# Allegro board A733_PRO2_AXP318_LPDDR4_4X_200BALL_32X1_V1_1.brd (continued)
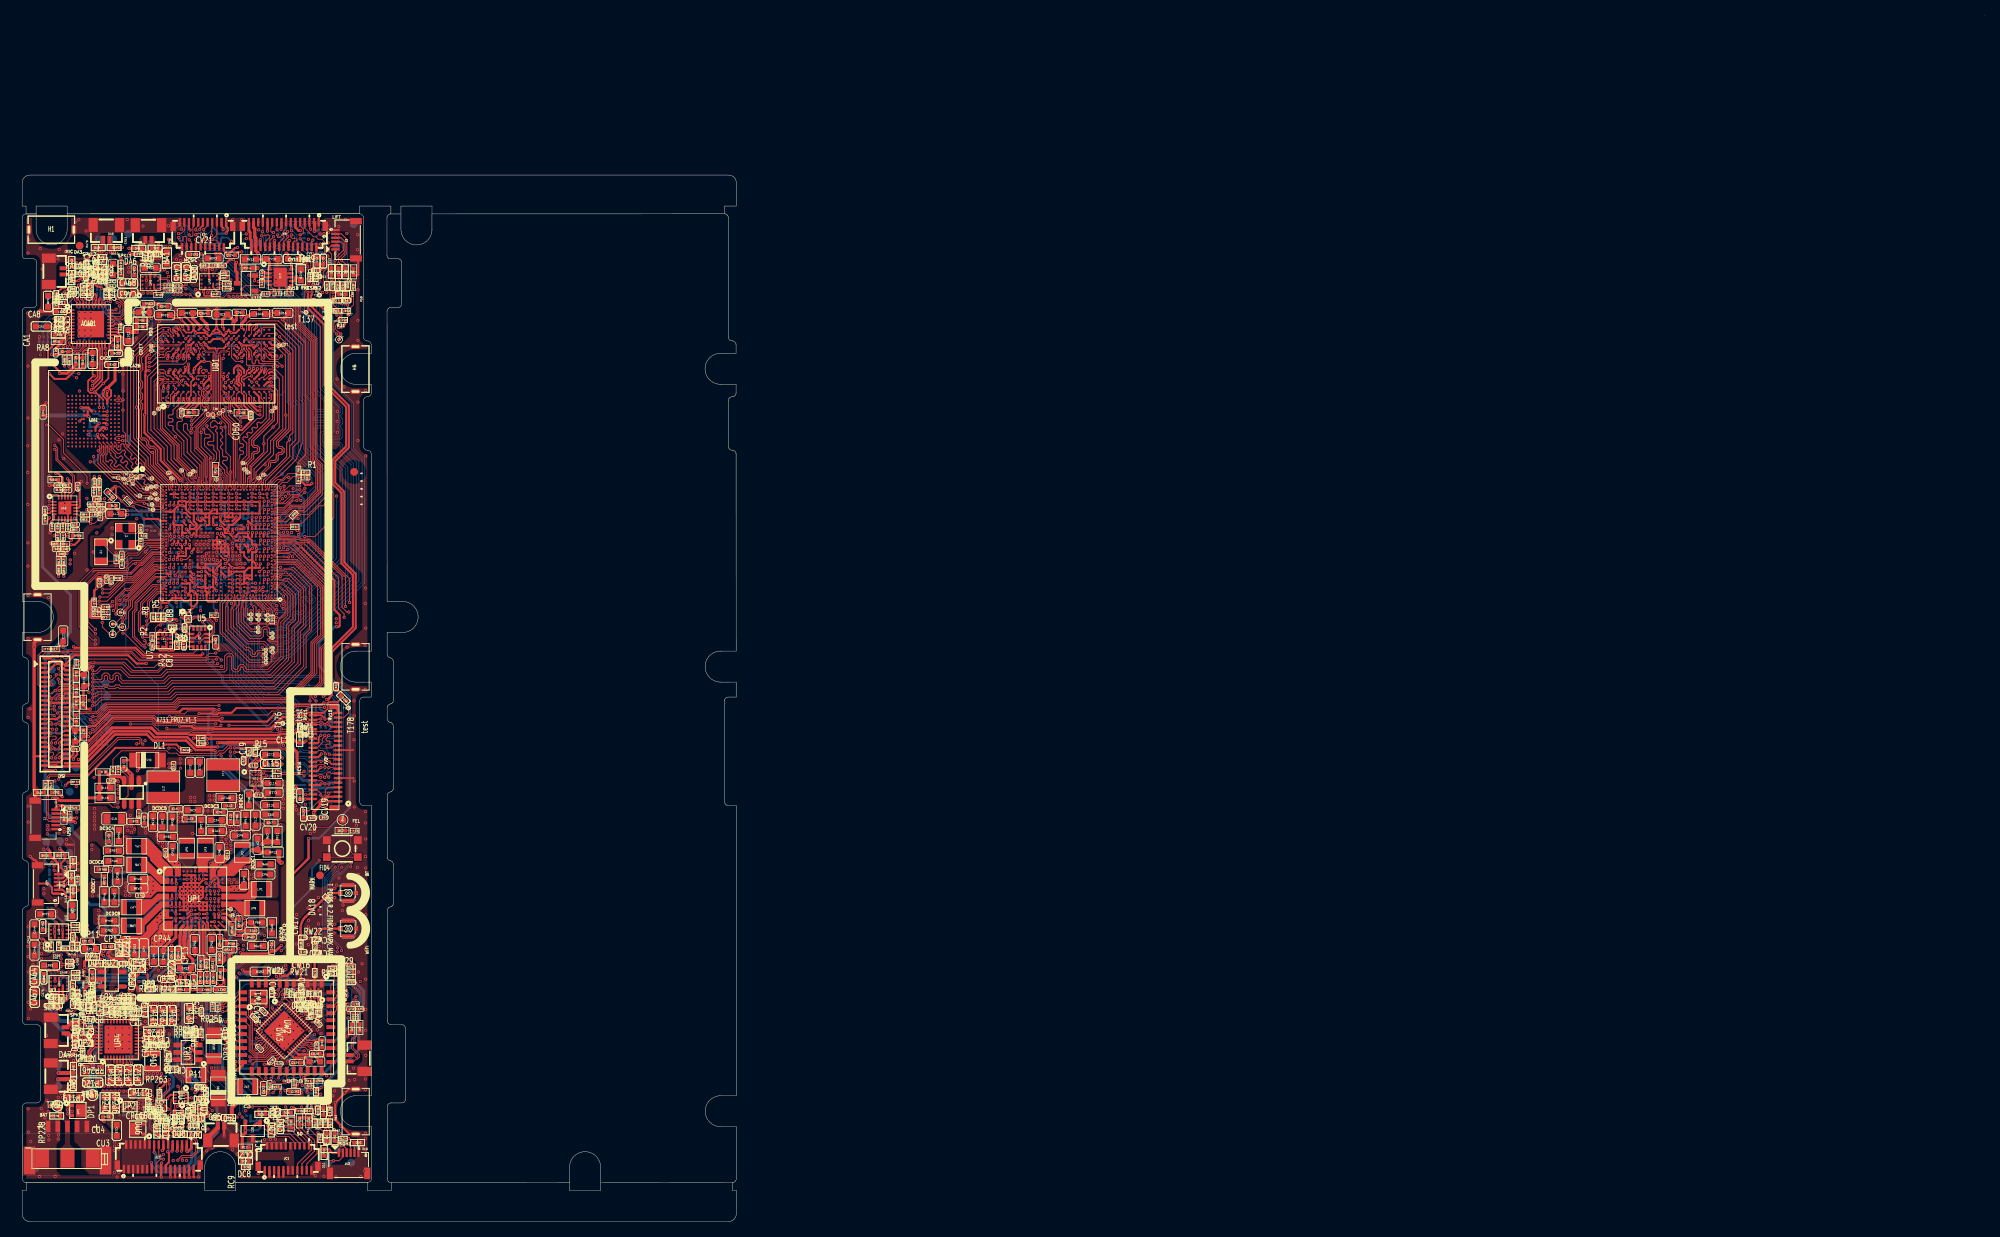
[diagram p0: board, top side]
## Copper pours and planes (outline as drawn; the poured copper is in the pictures) (continued)
GND on TOP: 30.89,17.08 31.92,17.08 32.02,16.98 32.02,16.32 32.15,16.19 34.91,16.19 35.15,16.43 35.15,17.04 34.84,17.35 34.84,17.65 34.95,17.75 35.12,17.75 35.4,18.03 35.63,18.03 35.71,17.96 35.71,17.47 36.28,16.9 36.28,15.23 36.14,15.09 29.03,15.09 28.99,15.12 28.99,16.05 29.06,16.13 30.67,16.13 30.79,16.25 30.79,16.98
GND on TOP: 31.02,10.78 33.97,10.78 34.14,10.6 34.14,9.32 34.12,9.3 30.98,9.3 30.86,9.42 30.86,10.62
GND on TOP: 17.38,23.8 19.01,23.8 19.31,23.5 19.31,21.43 19.12,21.23 18.67,21.23 18.58,21.15 18.58,20.56 19.12,20.02 19.14,20.02 19.16,19.99 19.16,19.43 19.11,19.38 18.23,19.38 18.07,19.55 18.07,22.97 17.9,23.14 17.37,23.14 17.31,23.2 17.31,23.72
GND on TOP: 8.78,31.6 9.81,31.6 9.91,31.49 10.85,31.49 10.93,31.42 10.93,30.99 10.85,30.91 9.84,30.91 9.27,30.34 8.71,30.34 8.31,29.95 8.31,28.54 8.71,28.14 8.71,27.82 8.69,27.81 8.41,27.81 8.38,27.85 8.38,27.98 7.96,28.4 7.96,28.71 7.74,28.93 7.74,30.56
GND on TOP: 21.97,124.33 23.06,124.33 23.48,124.75 24.26,124.75 24.32,124.7 24.32,123.9 24.18,123.76 23.54,123.76 23.48,123.7 23.48,123.32 23.86,122.93 23.86,122.55 23.76,122.45 23.76,121.92 23.72,121.88 23.55,121.88 23.5,121.93 23.5,122.08 22.68,122.91 22.68,123.37 22.56,123.48 21.75,123.48 21.69,123.42 21.69,122.85 21.58,122.74 19.36,122.74 19.25,122.86 19.25,124.33 19.87,124.95 20.23,124.95 20.43,125.16 20.43,126.19 20.48,126.24 20.75,126.24 20.8,126.19 20.8,125.21 20.98,125.03 21.78,125.03 21.85,124.95 21.85,124.45
GND on TOP: 31,117.63 31.54,117.63 32.04,117.13 32.22,117.13 32.38,116.97 32.38,116.81 32.43,116.76 33.61,116.76 33.87,117.02 33.87,117.63 33.98,117.74 34.68,117.74 34.87,117.55 34.87,115.71 37.04,113.54 37.04,97.88 36.14,96.98 35.45,96.98 35.42,97.02 35.42,97.98 36.41,98.97 36.41,113.21 33.18,116.43 31.04,116.43 30.9,116.57 30.9,117.53
GND on TOP: 11.36,26.19 11.49,26.19 11.53,26.15 11.53,25.36 11.59,25.3 14.11,25.3 14.22,25.18 14.22,21.77 14.13,21.68 10.72,21.68 10.63,21.77 10.63,25.21 10.72,25.3 11.25,25.3 11.32,25.37 11.32,26.15
GND on TOP: 3.12,51.32 3.5,51.32 3.59,51.23 3.59,50.93 3.72,50.8 4.85,50.8 4.89,50.76 4.89,50.5 4.81,50.42 3.81,50.42 3.72,50.33 3.11,50.33 3.01,50.43 3.01,51.21
GND on TOP: 0.55,5.51 0.54,14.79 1.89,14.79 2.6,15.09 2.89,15.8 2.89,24.9 2.6,25.61 1.88,25.91 0.54,25.91 0.54,35.62 0.54,40.03 0.54,40.08 0.56,40.11 1.1,40.41 1.34,40.98 1.34,42.49 1.33,45.99 1.13,46.67 0.53,47.06 0.53,54.92 1.11,55.28 1.33,55.91 1.33,63.91 1.1,64.55 0.53,64.9 0.53,66.25 0.54,66.27 0.55,66.28 1.09,66.58 1.33,67.15 1.33,72.16 1.12,72.84 0.53,73.23 0.53,74.38 0.53,75.49 2.02,75.49 2.55,75.55 3.05,75.72 4.47,78.53 2.02,80.51 0.52,80.51 0.52,82.69 0.52,83.82 0.52,101.16 0.52,102.27 0.51,117.4 0.52,117.42 1.5,117.42 2.11,117.7 2.38,118.31 2.38,123.83 2.1,124.44 1.49,124.72 0.51,124.72 0.51,129.49 1.29,129.49 1.29,128 3.57,125.5 6.27,127.54 6.3,127.77 6.31,128 6.31,129.51 28.8,129.51 28.8,127.85 28.72,127.77 26.82,127.77 26.82,128.99 26.8,128.99 26.8,129.2 26.59,129.41 20.92,129.41 20.82,129.31 20.82,127.91 20.72,127.81 20.04,127.81 19.98,127.76 19.98,127.71 19.82,127.55 17.82,127.55 17.81,127.54 10.25,127.54 9.66,126.95 9.66,125.45 9.18,124.97 9.18,124.61 8.59,124.03 8.59,123.71 8.45,123.57 7.44,123.57 7.25,123.76 4.81,123.76 4.4,123.35 4.4,120.33 4.22,120.15 2.92,120.15 2.76,120 2.76,117.63 2.86,117.52 3.88,117.52 4.02,117.66 4.02,118.24 4.12,118.34 4.62,118.34 4.74,118.21 4.74,117.04 4.57,116.86 2.7,116.86 2.18,116.34 2.18,114.91 2.31,114.78 3.78,114.78 4.34,115.34 4.63,115.34 4.68,115.29 4.68,114.76 4.49,114.57 4.49,114.16 4.39,114.06 3.78,114.06 3.63,113.91 3.54,113.82 3.54,113.04 3.08,112.59 3.08,110.73 3.27,110.54 3.27,109.06 5.67,106.66 5.67,99.83 8.88,96.62 8.88,94.69 8.72,94.53 8.12,94.53 7.72,94.93 7.08,94.93 7.01,95.01 7.01,96.52 4.95,98.58 4.95,100.09 4.57,100.47 3.98,100.47 3.89,100.38 3.89,95.85 3.89,95.84 3.89,87.97 4.07,87.78 4.19,87.78 4.29,87.68 4.29,87.07 4.35,87.01 4.35,83.17 4.62,82.9 5.67,82.9 6.56,83.79 6.56,86.51 7.88,87.83 7.88,89.31 8.41,89.84 9.85,89.84 10.37,90.36 10.37,91.64 10.31,91.71 10.31,92.68 10.35,92.72 11.44,92.72 11.56,92.59 11.56,91.91 11.75,91.72 11.75,90.92 11.64,90.8 11.39,90.8 10,89.42 9.35,89.42 8.47,88.53 8.47,84.39 8.69,84.16 9.41,84.16 9.58,83.98 9.58,83.87 8.02,82.31 8.02,76.82 9.27,75.58 9.7,75.58 10,75.27 10,74.51 9.75,74.26 7.09,74.26 5.63,75.72 4.86,75.72 3.53,74.38 2.2,74.38 1.79,73.97 1.79,56.3 2.5,55.58 2.5,49.69 2.64,49.56 5.95,49.56 7.45,51.05 7.45,53.16 7.88,53.59 10.8,53.59 11.44,52.96 11.44,51.43 10.42,50.42 10.42,49.41 10.56,49.27 11.42,49.27 11.49,49.21 11.49,47.51 11.41,47.43 10.5,47.43 10.35,47.59 10.35,48.22 9.57,49 8.77,49 8.54,48.77 8.54,43.98 8.38,43.81 8.38,42.81 8.11,42.54 5.79,42.54 5.68,42.65 5.68,42.86 6.07,43.24 7.25,43.24 7.45,43.45 7.45,44.35 7.34,44.46 6.13,44.46 6.09,44.5 6.09,45.22 6.24,45.38 6.85,45.38 7.07,45.59 7.07,45.99 6.8,46.25 6.19,46.25 6.08,46.14 5.8,46.14 5.68,46.25 5.68,46.51 6,46.83 5.97,46.86 5.97,47.96 5.48,48.44 4.54,48.44 4.4,48.3 4.4,48.12 4.99,47.54 4.99,46.98 4.86,46.85 4.48,46.85 4.06,47.27 4.06,48.17 3.79,48.44 3.15,48.44 3.01,48.3 3.01,45.59 2.22,44.8 2.22,41.79 2.4,41.61 2.71,41.61 2.8,41.52 2.8,39.18 2.67,39.05 2.19,39.05 2.03,38.89 2.03,38.14 1.9,38.01 1.28,38.01 1.08,37.81 1.08,35.22 1.21,35.09 1.91,35.09 2.12,34.89 2.12,33.62 2.24,33.49 3.16,33.49 3.22,33.43 3.22,32.92 4.47,31.67 4.47,30.86 4.4,30.8 4.07,30.8 4.01,30.86 4.01,31.61 3.06,32.56 2.28,32.56 2.2,32.49 2.2,32.05 2.06,31.91 1.35,31.91 1.08,31.64 1.08,28.74 1.09,28.74 1.19,28.64 3.31,28.64 3.41,28.54 3.41,27.13 3.57,26.98 4.61,26.98 4.8,26.78 4.8,23.49 4.96,23.33 4.96,23.33 5.14,23.15 7.11,23.15 7.14,23.11 7.14,21.06 6.9,20.81 6.9,19.86 6.83,19.79 4.97,19.79 4.8,19.62 4.8,17.94 4.9,17.85 4.9,17.84 5.05,17.69 6.8,17.69 6.9,17.59 6.9,16.88 6.69,16.66 6.69,13.51 6.61,13.44 5.95,13.44 5.61,13.78 5.61,15.28 5.26,15.63 3.89,15.63 3.31,15.05 3.31,14.63 3.68,14.26 3.69,14.26 3.89,14.06 4.15,14.06 4.28,13.93 4.28,13.65 4.26,13.64 4.26,13.23 4.43,13.07 4.82,13.07 4.92,12.97 4.92,10.44 4.44,9.96 4.44,6.49 5.08,5.85 11.52,5.85 11.67,5.99 11.67,11.49 11.74,11.57 12.55,11.57 12.71,11.42 12.71,6.08 12.94,5.85 22.42,5.85 22.55,5.98 22.55,8.27 23.71,9.42 24.51,9.42 24.66,9.58 24.66,9.97 24.65,9.98 24.65,10.37 25.76,11.48 25.76,12.84 25.8,12.88 27.78,12.88 28.01,12.65 28.01,9.28 28.13,9.17 28.52,9.17 28.65,9.04 28.65,7.45 28.8,7.3 28.8,6.4 29.32,5.88 36.99,5.88 37.13,6.02 37.13,7.26 37.62,7.76 39.01,7.76 39.44,7.33 42.12,7.33 43.21,8.42 43.21,10.71 43.07,10.84 42.45,10.84 40.24,13.05 40.01,13.05 39.85,13.21 39.85,15 39.85,15.01 39.85,15.57 39.68,15.73 39.68,17.35 40.66,18.33 40.66,21.92 40.48,22.1 39.25,22.1 39.12,21.97 39.12,21.61 39.14,21.6 39.14,21.25 39.03,21.14 38.16,21.14 38.07,21.23 38.07,21.72 37.75,22.03 37.75,22.45 37.8,22.5 38.25,22.5 38.4,22.66 40.36,22.66 40.6,22.9 40.6,27.01 40.7,27.11 40.7,27.6 41.42,28.32 42.23,28.32 42.37,28.18 42.37,26.78 42.27,26.68 41.78,26.68 41.7,26.61 41.7,25.26 42.1,24.87 42.72,24.87 42.74,24.84 42.74,24.34 41.65,23.25 41.65,20.31 41.79,20.17 43.33,20.17 43.85,20.69 43.85,21.53 43.24,22.14 43.24,24.79 43.32,24.87 43.79,24.87 43.97,25.06 43.97,26.69 43.62,27.05 43.62,29.03 43.3,29.35 42.73,29.35 42.49,29.59 42.49,31 42.6,31.11 42.73,31.11 43.05,31.43 43.05,33.44 42.78,33.7 41.76,33.7 41.36,33.3 39.72,33.3 39.38,32.96 39.38,32.33 39.52,32.19 39.82,32.19 39.91,32.09 39.91,31.6 39.83,31.52 39.24,31.52 38.97,31.25 38.97,30.28 38.98,30.26 38.98,24.21 38.79,24.01 38.34,24.01 37.89,24.46 37.54,24.46 37.33,24.26 37.07,24.26 36.84,24.48 36.84,24.52 37.4,25.08 37.4,25.13 37.33,25.2 37.28,25.2 36.63,24.55 36.44,24.55 34.42,22.53 34.42,22.35 35,21.78 35,21.74 34.91,21.65 34.87,21.65 34.3,22.22 34.08,22.22 33.85,22 33.75,22 31.24,24.51 31.24,24.64 33.19,26.59 33.19,26.8 32.6,27.39 32.6,27.42 32.7,27.52 32.72,27.52 33.32,26.92 33.52,26.92 33.8,27.2 35.29,25.72 35.55,25.72 36.1,26.26 36.14,26.26 36.23,26.17 36.23,26.14 35.64,25.55 35.64,25.35 36.25,24.74 36.55,24.74 37.23,25.42 37.69,25.42 37.98,25.72 37.98,26.25 37.94,26.29 37.59,26.29 37.52,26.35 37.52,26.91 37.28,27.15 36.39,27.15 36.33,27.22 36.33,27.71 36.24,27.8 35.8,27.8 35.77,27.82 35.77,28.95 35.66,29.07 35.25,29.07 35.22,29.09 35.22,31.57 35.12,31.67 35.12,44.46 37.37,46.71 37.37,49.64 37.14,49.87 36.52,49.87 36.32,49.67 36.32,47.32 36.31,47.31 36.31,46.79 34.57,45.05 34.57,33.76 34.15,33.34 30.54,33.34 30.31,33.57 30.31,33.99 30.65,34.33 33.38,34.33 33.83,34.77 33.83,35.75 33.67,35.91 33.21,35.91 32.43,35.13 30.7,35.13 30.6,35.23 30.6,35.91 30.65,35.97 32.23,35.97 32.98,36.72 32.98,37.38 33.35,37.74 33.35,45.62 33.98,46.25 33.98,47.23 33.98,47.23 33.98,51.41 33.87,51.52 33.14,51.52 32.81,51.19 32.33,51.19 32.27,51.26 32.27,51.87 32.37,51.97 32.37,54.56 32.61,54.8 32.61,56.92 32.7,57.01 32.7,57.03 34.26,57.03 34.51,56.78 34.51,55.89 35.19,55.22 35.19,53.96 35.92,53.22 35.92,52.53 36.05,52.4 37.22,52.4 37.23,52.39 38.68,52.39 38.77,52.3 38.77,51.83 38.84,51.75 39.42,51.75 39.58,51.92 39.58,53.69 39.63,53.75 41.42,53.75 41.69,54.02 41.69,64.76 42.56,65.63 42.56,67.75 40.31,70 40.31,72.88 43.85,76.42 43.85,83.59 42.22,85.22 42.22,94.3 40.91,95.6 40.91,98.08 42.55,99.72 42.59,99.72 42.59,105.44 40.13,107.9 40.13,111.22 40.14,111.23 40.14,112.14 42.21,114.21 42.21,116.43 43,117.22 43,120.3 43.19,120.5 43.19,123.27 42.76,123.71 42.39,123.71 42.23,123.86 42.23,127.47 41.96,127.75 39.83,127.75 39.77,127.81 38.77,127.81 38.7,127.88 38.7,129.16 39.05,129.51 43.49,129.51 43.5,114.21 43.5,114.11 43.79,113.4 44.5,113.11 44.5,112.52 43.01,112.52 40.5,110.01 43.01,107.51 44.5,107.51 44.5,106.92 43.79,106.62 43.5,105.91 43.5,100.01 43.79,99.3 44.5,99.01 44.51,74.1 43.02,74.1 40.51,71.59 43.02,69.09 44.51,69.09 44.51,68.17 44.02,68.17 43.31,67.88 43.01,67.16 43.02,54.16 43.31,53.45 44.02,53.16 44.52,53.16 44.52,33.04 44.52,30 44.53,16.74 43,16.74 41.44,16.18 40.58,14.77 41.07,12.66 43.02,11.72 44.53,11.72 44.53,5.73 44.34,5.54 28.05,5.56 28.05,7.07 25.65,9.52 23.05,7.3 23.03,7.28 23.03,7.01 23.03,5.85 23.03,5.51
GND on TOP: 28.3,45.31 30.88,45.31 31,45.2 31,44.25 30.78,44.03 29.11,44.03 28.7,44.44 28.19,44.44 28.09,44.54 28.09,45.1
GND on TOP: 38.98,106.46 39.81,106.46 40.95,105.32 40.95,100.11 40.47,99.63 38.98,99.63 38.82,99.8 38.82,106.3
GND on TOP: 32.1,50.81 32.1,50.05 31.99,49.94 31.33,49.94 30.98,49.59 30.98,49.12 30.82,48.96 29.97,48.96 29.64,49.29 29.64,51.47 29.67,51.51 31.03,51.51 31.2,51.35 31.2,51.07 31.31,50.95 31.96,50.95
GND on TOP: 35.31,124.59 35.99,124.59 37,123.57 37,122.9 36.49,122.4 35.43,122.4 35.22,122.6 35.22,124.48 35.31,124.57
GND on TOP: 20,53.66 21.62,53.66 21.7,53.58 21.7,52.7 21.38,52.39 21.38,51.41 21.33,51.36 20.02,51.36 19.91,51.47 19.91,52.83 19.84,52.89 19.84,53.5
GND on TOP: 15.35,13.77 16.73,13.77 16.78,13.71 16.78,12.95 17.03,12.71 17.62,12.71 17.69,12.65 17.69,11.87 17.65,11.84 17.03,11.84 16.85,11.66 16.85,11.17 16.77,11.1 15.27,11.1 15.25,11.12 15.25,13.66
GND on TOP: 10.12,37.66 10.85,37.66 10.92,37.59 10.92,36.78 11.97,35.73 11.97,34.39 12.15,34.21 13.01,34.21 13.55,33.68 13.55,33.15 13.45,33.05 13.18,33.05 13.09,33.13 13.09,33.5 12.89,33.71 11.29,33.71 10.83,34.16 10.83,34.71 11.2,35.08 11.2,35.76 11.05,35.92 10.04,35.92 9.36,36.6 8.39,36.6 8.28,36.49 8.28,35.84 8.53,35.59 8.53,34.71 7.76,33.93 7.76,32.97 7.81,32.92 8.18,32.92 8.77,33.52 9.34,33.52 9.39,33.46 9.39,32.98 9.18,32.77 8.76,32.77 8.52,32.52 8.52,32.14 8.37,31.99 7.73,31.99 7.2,32.52 7.2,34.47 7.46,34.73 7.46,35.79 7.44,35.81 7.44,37.03 7.59,37.19 9.89,37.19 10.04,37.34 10.04,37.58
GND on TOP: 24.33,20.05 26.08,20.05 26.29,19.85 26.29,18.19 26.13,18.03 24.32,18.03 24.2,18.15 24.2,19.93
GND on TOP: 25.8,54.02 26.37,54.02 26.47,53.92 26.47,52.03 26.6,51.9 27.97,51.9 28.07,51.8 28.07,50.48 27.85,50.25 27.83,50.25 27.81,50.23 27.81,49.45 27.71,49.35 27.26,49.35 27.13,49.22 27.13,47.61 26.93,47.41 26.28,47.41 25.84,47.85 25.13,47.85 25,47.98 25,48.64 25.34,48.98 25.34,52.15 25.41,52.22 25.66,52.22 25.71,52.27 25.71,53.91 25.8,54
GND on TOP: 16.52,26.85 16.44,26.92 16.44,27.31 16.29,27.46 15.37,27.46 15.25,27.33 15.25,27.11 15.2,27.06 14.31,27.06 14.26,27.11 14.26,27.99 14.35,28.08 14.65,28.08 14.83,28.26 14.83,29.3 14.69,29.44 14.69,29.98 14.47,30.2 13.96,30.2 13.89,30.28 13.89,31.06 13.91,31.09 14.46,31.09 15.44,30.11 15.44,29.67 15.56,29.54 17.51,29.54 17.74,29.77 17.74,30.53 16.82,31.44 16.82,32.84 16.53,33.13 16.53,33.49 16.45,33.57 16.07,33.57 15.64,34 15.02,34 14.9,33.88 14.9,33.13 14.85,33.08 14.36,33.08 14.29,33.15 14.29,33.9 14.02,34.17 14.02,34.84 14.08,34.9 16.03,34.9 16.2,34.73 16.2,34.52 16.72,34 18.52,34 19.03,34.5 20.34,34.5 20.43,34.42 20.43,34.05 20.26,33.88 19.25,33.88 18.71,33.35 18.71,32.41 18.33,32.03 18.33,31.76 18.6,31.49 18.6,30.96 18.51,30.87 18.37,30.87 18.23,30.73 18.23,30.24 18.08,30.09 18.08,29.54 18.23,29.39 25.18,29.39 25.47,29.68 25.47,30.12 25.56,30.21 26.26,30.21 26.31,30.16 26.31,29.55 24.88,28.12 24.88,27.89 24.75,27.76 24.27,27.76 24.15,27.65 24.15,27.3 24.04,27.19 21.29,27.19 20.53,26.43 19.82,26.43 19.4,26.85
GND on TOP: 29.26,30.01 31.54,30.01 31.69,29.86 31.69,27.67 31.2,27.18 31.19,27.18 31.14,27.13 31.14,26.62 31.99,25.77 31.99,25.73 31.91,25.65 31.87,25.65 31.36,26.17 30.9,26.17 29.65,27.42 29.41,27.42 29.13,27.69 29.13,29.89
GND on TOP: 13.98,123.96 14.92,123.96 15.43,123.46 16.15,123.46 16.19,123.42 16.19,121.68 16.26,121.6 16.26,121.25 16.34,121.17 16.67,121.17 16.77,121.07 16.77,120.7 16.7,120.62 16.31,120.62 16.25,120.56 16.25,120.36 16.14,120.24 15.92,120.24 15.81,120.36 15.81,122.19 15.25,122.74 15.25,123.01 14.85,123.4 14.16,123.4 14,123.25 14,122.03 13.32,121.35 13.32,119.37 13.25,119.3 12.48,119.3 12.38,119.4 12.38,122.15 12.5,122.27 12.95,122.27 13.06,122.39 13.06,123.05
GND on TOP: 13.7,44.64 14.55,44.64 14.66,44.53 14.66,42.51 14.76,42.4 15.02,42.4 15.11,42.32 15.11,41.9 15.03,41.82 13.02,41.82 12.66,42.19 11.53,42.19 11.42,42.29 11.42,44.07 11.67,44.31 13.37,44.31
GND on TOP: 10.99,56.46 11.89,56.46 12.02,56.34 12.02,55.13 12.24,54.91 12.49,54.91 12.58,54.82 12.58,53.96 12.22,53.61 11.95,53.61 11.44,54.11 10.99,54.11 10.89,54.22 10.89,56.36
GND on TOP: 15.29,18.66 15.39,18.55 15.4,18.54 15.4,18.02 15.52,17.91 16.83,17.91 16.97,17.77 16.97,15.47 16.91,15.4 15.98,15.4 15.93,15.35 15.93,14.43 15.83,14.32 15.18,14.32 15.06,14.2 14.51,14.2 14.4,14.31 14.4,15.37 15.26,16.23 15.26,17.09 15.09,17.26 9.67,17.26 9.39,17.54 9.39,18.31 9.74,18.66
GND on TOP: 27.1,34.33 33.81,34.33 33.9,34.24 33.9,33.46 33.79,33.35 30.89,33.35 30.41,32.87 30.41,31.71 30.3,31.6 28.96,31.6 28.01,32.55 27.19,32.55 27.02,32.71 27.02,34.25
GND on TOP: 12.85,106.95 12.76,107.03 12.76,111.4 12.91,111.56 12.91,111.99 13.1,112.18 13.1,113.87 13.3,114.07 14.55,114.07 15.54,115.06 15.95,115.06 17.04,116.15 17.04,117.3 17.32,117.58 18.13,117.58 18.44,117.88 18.44,118.76 18.75,119.07 26.45,119.07 26.58,118.95 26.58,118.16 26.35,117.93 25.74,117.93 25.46,117.65 25.46,116.56 25.37,116.47 24.1,116.47 23.65,116.92 23.65,117.58 23.4,117.83 21.09,117.83 21.01,117.75 21.01,116.85 20.94,116.78 19.9,116.78 19.67,117 19.67,117.28 19.36,117.59 18.71,117.59 18.09,116.97 18.09,116.42 18.22,116.29 20.17,116.29 20.96,115.51 20.96,114.98 20.9,114.92 20.72,114.92 20.66,114.98 20.66,115.18 20.44,115.39 20.44,115.54 20.14,115.85 17.89,115.85 17.42,115.38 17.19,115.38 16.91,115.1 16.54,115.1 13.33,111.89 13.33,107.01 13.27,106.95
GND on TOP: 24.7,74.59 26.41,74.59 29.04,71.96 31.7,71.96 31.98,72.24 31.98,72.97 32.18,73.18 32.36,73.18 32.65,73.47 32.65,74.22 32.44,74.42 32.08,74.42 31.56,74.94 31.56,75.17 31.66,75.27 31.95,75.27 32.18,75.04 32.52,75.04 32.65,75.17 32.65,76.78 32.5,76.94 29.37,76.94 29.28,77.03 29.28,77.29 29.36,77.37 31.81,77.37 32,77.18 32.79,77.18 32.98,77.37 32.98,77.84 33.88,78.74 33.88,79.79 33.75,79.92 33.56,79.92 33.22,80.26 32.52,80.26 32.44,80.34 32.44,80.47 32.5,80.52 33.38,80.52 33.49,80.42 33.79,80.42 34.11,80.1 34.11,78.3 33.22,77.41 33.22,73 31.67,71.45 29.03,71.45 26.95,73.53 25.21,73.53 24.96,73.77 24.69,73.77 24.61,73.85 24.61,74.5
GND on TOP: 25.19,35.99 25.74,35.99 25.89,35.84 25.89,35.42 25.99,35.32 26.58,35.32 26.63,35.27 26.63,34.73 26.55,34.66 25.93,34.66 25.76,34.49 25.76,33.83 25.7,33.77 25.06,33.77 25.03,33.81 25.03,34.15 24.59,34.58 24.09,34.58 24.02,34.64 24.02,35.44 24.09,35.51 24.95,35.51 25.09,35.65 25.09,35.89
GND on TOP: 14.89,52.53 15.21,52.53 15.32,52.41 15.32,51.74 15.4,51.66 16.07,51.66 16.4,51.33 18.42,51.33 18.47,51.28 18.47,49.3 18.77,49.01 19.73,49.01 19.86,48.88 19.86,48 19.81,47.95 18.93,47.95 18.6,47.62 18.24,47.62 18.18,47.69 18.18,47.87 16.26,49.78 14.92,49.78 14.83,49.87 14.83,51.05 14.59,51.29 14.59,52.22
GND on BOTTOM: 0.55,5.51 0.54,14.79 1.89,14.79 2.6,15.09 2.89,15.8 2.89,22.95 2.89,24.9 2.6,25.61 1.88,25.91 0.54,25.91 0.54,40.03 0.53,40.05 0.54,40.08 0.56,40.11 1.1,40.41 1.34,40.98 1.33,45.99 1.13,46.67 0.53,47.06 0.53,54.92 1.11,55.28 1.33,55.91 1.33,63.91 1.1,64.55 0.53,64.9 0.53,66.25 0.54,66.27 0.55,66.28 1.09,66.58 1.33,67.15 1.33,72.16 1.12,72.84 0.53,73.23 0.53,75.49 2.02,75.49 4.52,78 2.02,80.51 0.52,80.51 0.51,117.4 0.52,117.42 1.5,117.42 2.11,117.7 2.38,118.31 2.38,123.83 2.1,124.44 1.49,124.72 0.51,124.72 0.51,129.49 1.29,129.49 1.29,128 3.8,125.49 6.31,128 6.31,129.51 43.49,129.51 43.5,114.11 43.79,113.4 44.5,113.11 44.5,112.52 43.01,112.52 40.5,110.01 43.01,107.51 44.5,107.51 44.5,106.92 43.79,106.62 43.5,105.91 43.5,100.01 43.79,99.3 44.5,99.01 44.51,74.1 43.02,74.1 40.51,71.59 43.02,69.09 44.51,69.09 44.51,68.17 44.02,68.17 43.31,67.88 43.01,67.16 43.02,54.16 43.31,53.45 44.02,53.16 44.52,53.16 44.52,53.06 44.53,16.74 43,16.74 40.52,14.22 43.02,11.72 44.53,11.72 44.53,5.59 44.43,5.54 28.05,5.56 28.05,7.07 26.47,9.34 23.76,8.78 23.35,8.24 23.1,7.61 23.03,7.19 23.03,5.51 ; 2 cut-outs
GND on BOTTOM: 28.85,30.39 32.03,30.39 32.94,29.48 32.94,29.02 31.76,27.84 31.76,27.5 30.86,26.59 28.04,26.59 27.82,26.81 27.82,29.36
GND on BOTTOM: 40.19,23.76 38.68,23.76 38.04,24.4 37.08,24.4 34.32,21.64 33.35,21.64 31.72,23.27 31.72,24.13 34.52,26.92 35.53,26.92 36.47,25.98 38.36,25.98 38.85,25.5 39.47,25.5 39.61,25.64 39.61,27.62 40.22,28.23 42.2,28.23 42.31,28.12 42.31,25.88
GND on BOTTOM: 31.63,107.89 33.88,107.89 33.98,107.78 33.98,105.5 34.7,104.77 34.7,98.94 37.59,96.06 37.59,95.11 37.42,94.94 37.21,94.94 37.05,95.1 37.05,95.67 36.91,95.81 33.65,95.81 33.38,96.07 31.78,96.07 31.43,95.72 31.43,94.78 31.26,94.61 31.26,93.86 31.29,93.84 31.29,93.06 30.83,92.61 28.62,92.61 28.47,92.76 28.47,93.1 29.05,93.69 29.05,105.18 29.22,105.35 30.25,105.35 30.45,105.55 30.45,106.71
GND on BOTTOM: 28.47,37.31 28.01,37.77 27.57,37.77 27.08,38.25 26.68,38.25 26.55,38.13 26.55,37.96 26.39,37.8 26.16,37.8 24.83,39.13 24.35,39.13 24.09,39.39 24.09,39.76 23.41,40.44 21.24,40.44 21.11,40.56 21.11,41.54 20.14,42.52 20.14,44.28 17.15,47.27 17.15,48.94 16.28,49.82 15.37,49.82 15.08,50.11 15.08,51.15 15.34,51.41 16.95,51.41 19.04,49.31 19.04,46.06 19.78,45.33 21.71,45.33 22.54,44.5 22.54,44.03 22.69,43.88 23.03,43.88 23.45,43.46 23.45,42.37 23.5,42.32 23.5,41.97 23.6,41.87 26.32,41.87 27.63,40.56 27.63,39.89 27.5,39.76 27.5,39.52 27.65,39.37 28,39.37 28.6,39.97 28.6,42 28.91,42.32 28.91,43.39 28.75,43.56 28.21,43.56 28.13,43.65 28.13,44.7 28.38,44.96 31.28,44.96 31.75,44.49 31.75,39.61 31.53,39.4 28.61,39.4 28.44,39.23 28.44,38.86 28.47,38.84 29.09,38.84 29.26,38.67 29.26,37.51 29.05,37.31
GND on BOTTOM: 2.95,33.36 3.87,33.36 3.92,33.31 3.92,31.76 4.53,31.15 4.53,29.5 4.34,29.31 4.05,29.31 2.47,30.89 2.47,32.88
GND on BOTTOM: 28.52,63.3 32.65,63.3 32.93,63.02 32.93,60.78 35.12,58.59 35.12,57.59 36.09,56.63 36.65,56.63 36.74,56.54 36.74,56.22 36.65,56.13 36.34,56.13 36.33,56.15 36.08,56.15 35.9,55.97 35.14,55.97 35.05,56.06 35.05,56.41 35.1,56.46 35.1,56.74 35.01,56.83 34.43,56.83 34.1,56.5 31.75,56.5 30.51,57.74 30.51,59.4 30.43,59.49 30.03,59.49 28.3,61.21 28.3,63.08
GND on BOTTOM: 18.46,74.93 20.66,74.93 20.98,74.61 22.37,74.61 22.93,74.05 22.93,72.76 25.47,70.22 25.47,69.46 32.25,62.67 32.25,61.58 31.42,60.74 28.77,60.74 27.57,61.95 25.47,61.95 24.3,63.12 24.3,64.97 25.05,65.72 25.47,65.72 25.63,65.88 25.63,66.76 25.43,66.95 24.05,66.95 23.64,67.36 23.64,70.62 20.74,73.53 20.74,74.16 20.56,74.33 18.59,74.33 18.37,74.55 18.37,74.84
GND on BOTTOM: 23.2,94.16 23.2,94.15 23.56,94.15 23.82,93.89 23.82,92.75 23.54,92.47 23.54,90.66 23.74,90.46 23.74,90.36 23.73,90.35 23.73,90.08 24.23,89.58 25.1,89.58 25.43,89.91 25.43,90.27 25.48,90.32 25.65,90.32 25.86,90.11 27.44,90.11 27.68,90.35 28.15,90.35 28.33,90.52 28.33,91.44 28.47,91.58 28.47,92.96 28.58,93.08 30.7,93.08 30.83,92.95 30.83,92.59 30.12,91.88 29.56,91.88 29.37,91.69 29.37,88.25 29.51,88.11 30.21,88.11 31.14,89.04 31.36,89.04 31.86,88.54 32.44,88.54 32.53,88.45 32.53,88.21 32.44,88.12 30.65,88.12 30.53,88 30.53,87.21 30.84,86.89 30.84,86.64 30.98,86.5 32.07,86.5 32.21,86.36 32.21,85.69 29.59,83.06 28.99,83.06 28.61,83.44 27.69,83.44 27.33,83.07 26.96,83.07 26.89,83.13 26.89,83.4 26.68,83.62 26.02,83.62 24.37,81.96 24.37,79.22 23.5,78.36 20.47,78.36 19.58,77.47 19.25,77.47 18.75,77.96 17.79,77.96 17.69,78.07 17.69,79.89 18,80.21 18,82.55 18.65,83.2 18.65,83.63 18.82,83.79 19.3,83.79 19.71,83.39 21.52,83.39 21.88,83.74 21.88,84.58 21.93,84.63 23.38,84.63 23.49,84.75 25.72,84.75 25.89,84.91 25.89,85.84 25.79,85.94 25.79,86.27 25.52,86.54 25.52,86.99 25.36,87.16 24.89,87.16 24.84,87.21 24.84,89.01 24.63,89.22 23.53,89.22 23.45,89.29 23.45,89.52 23.34,89.64 20.99,89.64 20.85,89.5 20.56,89.5 20.52,89.55 20.52,89.94 20.58,90 20.92,90 21,90.08 21,91.57 20.67,91.9 14.22,91.9 14,92.11 14,92.58 15.58,94.16
GND on BOTTOM: 6.98,118.01 9.98,118.01 10.1,117.88 10.1,117.39 11.25,116.24 11.25,114.12 10.68,113.55 7.12,113.55 6.89,113.78 6.89,117.92
GND on BOTTOM: 2.85,108.65 7.51,108.65 9.03,110.16 10.07,110.16 10.6,110.69 14.03,110.69 14.18,110.54 14.18,107.57 13.29,106.68 13.29,104.53 13.06,104.31 12.34,104.31 11.99,104.66 11.99,105.78 10.77,107 10.77,107.11 10.58,107.3 10.12,107.3 9.55,106.73 9.55,104.56 9.46,104.47 8.87,104.47 8.76,104.36 2.83,104.36 2.75,104.43 2.75,108.55
GND on BOTTOM: 11.49,44.65 15.26,44.65 15.35,44.56 15.35,41.83 15.24,41.72 11.49,41.72 11.36,41.85 11.36,44.53
GND on BOTTOM: 13.56,123.34 14.22,123.34 15.44,122.12 18.09,122.12 18.6,122.63 18.84,122.63 18.97,122.5 18.97,122.25 18.88,122.16 18.55,122.16 18.31,121.92 18.31,121.44 18.14,121.27 17.41,121.27 16.78,120.65 16.47,120.65 15.32,121.79 14.19,121.79 13.39,122.59 13.39,123.18
GND on BOTTOM: 6.17,42.8 6.85,42.8 7.12,43.06 7.57,43.06 7.71,42.92 7.71,38 6.4,36.69 4.47,36.69 3.98,37.17 3.98,37.82 4.16,38 4.25,38 4.26,38.01 4.38,38.01 5.07,37.32 5.34,37.32 6.85,38.84 6.85,41.69 6.37,42.18 4.34,42.18 4.16,42 4.16,41.44 3.53,40.8 3.53,39 3.4,38.87 3.08,38.87 3,38.95 3,41.07 3.33,41.4 3.33,44.25 3.41,44.34 3.95,44.34 4.3,44.69 4.85,44.69 4.89,44.65 4.89,44.08
GND on BOTTOM: 13.95,91.41 15.58,91.41 15.66,91.34 15.66,91.05 16.9,89.8 16.9,89.48 16.84,89.42 16.4,89.42 16.29,89.54 15.78,89.54 15.77,89.52 14.16,89.52 13.86,89.81 13.86,91.33
GND on BOTTOM: 20.89,77.69 22.72,77.69 23.01,77.39 23.01,76.26 23.2,76.07 23.2,75.68 23.06,75.54 21.23,75.54 20.79,75.98 20.79,77.58
GND on BOTTOM: 9.1,61.75 11.15,61.75 11.27,61.62 11.27,61.37 9.18,59.27 6.47,59.27 6.38,59.36 6.38,60.58 6.74,60.93 8.29,60.93
GND on BOTTOM: 16.34,28.92 19.39,28.92 19.74,28.56 19.74,27.95 19.45,27.66 16.1,27.66 15.95,27.81 15.95,28.52
GND on BOTTOM: 26.11,23.16 27.01,23.16 27.35,22.82 27.35,19.46 29.67,17.13 32.74,17.13 32.89,16.98 32.89,16.19 32.58,15.89 30,15.89 26.09,19.8 26.09,21.28 25.65,21.73 25.65,23.01 25.81,23.18 26.09,23.18
GND on BOTTOM: 4.97,55.11 5.34,55.11 5.79,54.66 7.11,54.66 7.38,54.39 7.38,51.32 7.12,51.07 6.85,51.07 5.56,52.36 3.98,52.36 3.29,53.06 3.29,54.94 3.43,55.08 4.95,55.08
GND on BOTTOM: 5.46,103.57 7.69,103.57 7.96,103.3 7.96,102.48 8.26,102.17 8.99,102.17 9.09,102.07 9.09,101.31 9,101.22 8.65,101.22 8.62,101.24 8.45,101.24 5.93,98.72 5.93,91.71 4.38,90.16 4.38,86.22 4.2,86.04 3.1,86.04 2.98,86.16 2.98,101.09
GND on BOTTOM: 3.07,39.47 3.49,39.47 3.53,39.43 3.53,38.84 4.13,38.23 4.8,38.23 4.87,38.15 4.87,37.48 4.43,37.03 4.12,37.03 3,38.15 3,39.41
GND on L2GND: 0.55,5.51 0.54,14.79 1.89,14.79 2.6,15.09 2.89,15.8 2.89,24.9 2.6,25.61 1.88,25.91 0.54,25.91 0.54,40.03 0.53,40.05 0.54,40.08 0.56,40.11 1.1,40.41 1.34,40.98 1.33,45.99 1.13,46.67 0.53,47.06 0.53,54.92 1.11,55.28 1.33,55.91 1.33,63.91 1.1,64.55 0.53,64.9 0.53,66.25 0.54,66.27 0.55,66.28 1.09,66.58 1.33,67.15 1.33,72.16 1.12,72.84 0.53,73.23 0.53,75.49 2.02,75.49 4.53,78 2.02,80.51 0.52,80.51 0.51,117.4 0.52,117.42 1.5,117.42 2.11,117.7 2.38,118.31 2.38,123.83 2.1,124.44 1.49,124.72 0.51,124.72 0.51,129.49 1.29,129.49 1.29,128 3.8,125.49 6.31,128 6.31,129.51 43.49,129.51 43.5,114.11 43.79,113.4 44.5,113.11 44.5,112.52 43.01,112.52 40.5,110.01 43.01,107.51 44.5,107.51 44.5,106.92 43.79,106.62 43.5,105.91 43.5,100.01 43.79,99.3 44.5,99.01 44.51,74.1 43.02,74.1 40.51,71.59 43.02,69.09 44.51,69.09 44.51,68.17 44.02,68.17 43.31,67.88 43.01,67.16 43.02,54.16 43.31,53.45 44.02,53.16 44.52,53.16 44.52,46.04 44.52,40.03 44.53,16.74 43,16.74 40.52,14.22 43.02,11.72 44.53,11.72 44.53,5.73 44.34,5.54 28.05,5.56 28.05,7.07 25.65,9.52 23.05,7.3 23.03,7.28 23.03,7.01 23.03,5.51 ; 9 cut-outs
GND on L3: 5.09,75.04 5.91,75.04 6.13,74.83 6.13,73.11 5.85,72.83 5.85,71.74 5.86,71.73 5.86,62.2 5,61.34 5,58.36 4.62,57.98 4.19,57.98 3.41,58.75 3.41,66.81 3.04,67.18 3.04,72.89 5.09,74.93
GND on L3: 15.92,51.05 18.97,51.05 19.31,50.71 19.31,47.55 22.6,44.26 22.6,43.97 22.93,43.64 22.93,43.1 22.59,42.76 21.26,42.76 21.01,43 21.01,43.31 21.56,43.85 21.56,44.22 21.37,44.41 19.91,44.41 16.71,47.61 16.71,49.49 16.28,49.92 15.8,49.92 15.71,50.01 15.71,50.84
GND on L3: 3.4,55.25 5.14,55.25 5.41,54.98 5.41,53.98 3.55,52.12 3.55,50.38 3.49,50.32 3.13,50.32 3.06,50.39 3.06,54.9
GND on L3: 19.05,124.88 20.46,124.88 22.23,123.1 24.65,123.1 24.86,122.89 24.86,121.45 24.55,121.13 22.46,121.13 21.85,121.74 20.37,121.74 18.21,119.58 17.5,119.58 16.93,120.15 15.88,120.15 15.58,120.46 15.58,122.06 17.34,123.83 17.99,123.83
GND on L3: 20.02,53.04 20.67,53.04 21.69,52.02 24,52.02 24.47,51.55 24.47,47 24.14,46.67 20.9,46.67 19.92,47.65 19.92,52.93
GND on L3: 25.71,51.54 31.1,51.54 31.29,51.35 31.29,50.6 28.6,47.9 28.6,45.53 28.84,45.29 29.98,45.29 30.16,45.11 30.16,44.3 26.72,40.85 26.72,38.01 26.46,37.76 25.7,37.76 25.34,37.4 22.98,37.4 22.45,37.93 15.69,37.93 15.25,38.38 15.25,44.31 15.7,44.77 18.98,44.77 19.92,43.83 22.98,43.83 23.15,43.99 23.15,44.22 23.3,44.37 25.4,44.37 26.51,45.49 26.51,47.47 25.51,48.47 25.51,51.33
GND on L4: 23.41,52.53 27.85,52.53 28.19,52.18 28.19,47.98 25.83,45.62 25.83,43.34 25.47,42.99 23.68,42.99 23.43,42.73 23.43,41.57 23.85,41.15 23.85,40.58 23.72,40.45 21.23,40.45 20.07,41.6 20.07,44.16 22.91,46.99 22.91,52.02
GND on L4: 35.29,30.3 37.27,30.3 39.01,28.56 39.01,28.23 38.52,27.74 38.52,25.26 38.82,24.96 38.82,22.56 36.46,20.19 35.49,20.19 31.86,23.83 31.86,24.27 35.16,27.57 35.16,30.18
GND on L4: 16.7,117.92 32.67,117.92 36.71,113.88 36.71,97.74 34.6,95.63 34.39,95.63 34.18,95.83 34.18,96.15 35.49,97.46 35.49,98.89 36.22,99.62 36.22,111.57 31.33,116.46 26.49,116.46 25.88,117.07 20.57,117.07 18.13,114.63 17.14,114.63 13.99,111.48 13.99,97.88 18.41,93.46 19.15,93.46 19.43,93.18 20.7,93.18 20.82,93.05 20.82,92.24 20.77,92.19 20.01,92.19 19.82,92.38 19.82,92.48 19.21,93.09 18.22,93.09 13.33,97.98 13.33,103.25 12.55,104.02 12.55,110.12 13.24,110.81 13.24,114.46
GND on L4: 13.52,19.41 13.5,19.38 9.89,19.38 8.01,21.26 8.01,25.39 7.13,26.26 7.13,26.27 6.24,27.16 6.24,33.45 6.65,33.86 6.65,34.89 5.79,35.75 5.77,35.75 5.77,36.59 6.28,37.1 6.28,42.16 6.12,42.33 5.77,42.33 4.93,43.17 4.93,43.47 3.39,45.02 3.39,46.52 4.63,47.76 4.63,48.51 5.33,49.21 5.33,49.77 5.81,50.25 5.81,52.08 6.69,52.96 6.69,58.21 9.62,61.14 9.62,71.84 6.52,74.94 6.52,85.51 6.26,85.77 5.81,85.77 4.85,86.74 4.85,100 4.45,100.39 4.45,100.94 4.96,101.45 4.96,105.24 9.13,109.41 9.6,109.41 9.8,109.21 9.8,106.87 7.65,104.72 7.65,96.93 9.81,94.77 9.81,89.78 9.19,89.15 9.19,82.27 9.41,82.49 10.57,82.49 11.21,83.12 11.21,84.05 12.88,85.72 14.96,85.72 16.16,86.93 17.47,86.93 17.7,86.7 17.7,85.91 13.33,81.55 12.44,81.55 11.07,80.17 11.07,77.98 11.35,77.7 11.35,76.08 12.93,74.51 12.93,58.95 10.92,56.95 10.92,49.67 10.12,48.87 10.12,46.42 10.05,46.35 10.05,38.09 10.56,37.57 10.56,36.67 10.11,36.22 10.11,33.42 10.69,32.85 10.69,30.83 10.17,30.31 10.17,29.07 10.31,28.92 10.31,28.55 11.52,27.35 19.75,27.35 20.49,26.61 21.5,27.61 21.28,27.83 21.28,27.94 21.76,27.94 21.78,27.93 22.98,27.93 23.01,27.9 24.04,27.9 24.79,27.15 24.79,25.54 27.03,23.29 27.03,23.29 27.15,23.18 27.15,22.16 27.14,22.15 27.14,21.69 26.43,20.98 20.53,20.98 18.96,19.41
GND on L4: 6.49,118.47 10.22,118.47 10.74,117.95 10.74,114.26 10.04,113.56 7.03,113.56 6.33,114.26 6.33,118.31
GND on L4: 29.73,38.72 30.08,38.37 30.08,33.36 26.42,29.7 24.18,29.7 22.59,28.12 22.59,27.81 22.74,27.66 22.74,26.68 22.6,26.54 21.86,26.54 21.44,26.96 21.44,27.32 21.46,27.33 21.46,27.61 21.04,28.03 21.04,28.75 23.9,31.61 26.37,31.61 28.91,34.15 28.91,36.08 28.07,36.92 28.07,38.61 28.19,38.72
GND on L5GND: 0.55,5.51 0.55,14.79 1.89,14.79 2.6,15.09 2.89,15.8 2.89,24.9 2.6,25.61 1.88,25.91 0.54,25.91 0.54,40.03 0.54,40.05 0.54,40.08 0.56,40.11 1.1,40.41 1.34,40.98 1.34,45.99 1.13,46.67 0.54,47.06 0.53,54.92 1.11,55.28 1.33,55.91 1.33,63.91 1.1,64.55 0.53,64.9 0.53,66.25 0.54,66.27 0.55,66.28 1.09,66.58 1.33,67.15 1.33,72.16 1.12,72.84 0.53,73.23 0.53,75.49 2.02,75.49 4.53,78 2.02,80.51 0.52,80.51 0.51,117.4 0.52,117.42 1.5,117.42 2.11,117.7 2.38,118.31 2.38,123.83 2.1,124.44 1.49,124.72 0.51,124.72 0.51,129.49 1.29,129.49 1.29,128 3.8,125.49 6.31,128 6.31,129.5 43.49,129.5 43.49,128 43.5,114.11 43.79,113.4 44.5,113.11 44.5,112.52 43.01,112.52 40.5,110.01 43.01,107.5 44.5,107.5 44.5,106.92 43.79,106.62 43.5,105.91 43.5,100.01 43.79,99.3 44.5,99.01 44.51,74.1 43.02,74.1 40.51,71.59 43.02,69.08 44.51,69.08 44.51,68.17 44.02,68.17 43.31,67.88 43.01,67.16 43.01,63.91 43.01,54.25 43.01,54.16 43.31,53.45 44.02,53.16 44.52,53.16 44.53,16.74 43,16.74 40.52,14.22 43.02,11.72 44.53,11.72 44.53,5.59 44.43,5.54 28.05,5.56 28.05,7.07 25.81,9.5 23.1,7.61 23.03,7.19 23.03,5.51 ; 6 cut-outs
VBAT on TOP: 7.64,7.1 8.67,6.07 11.52,6.07 11.58,6.13 11.58,11.32 9.8,13.1 9.82,13.13 9.82,16.53 8.77,17.59 8.77,19.2 8.68,19.29 7.72,19.29 7.65,19.35 7.65,19.82 7.71,19.88 8.65,19.88 8.68,19.91 8.68,20.27 8.54,20.41 7.36,20.41 7.04,20.09 7.04,16.85 6.91,16.71 6.91,13.25 6.71,13.05 6.71,10.33 7.64,9.4
VBUS-AXP318 on TOP (solid shape): 19.33,38.8 19.35,38.8 19.37,38.78 19.44,38.71 19.45,38.7 19.45,38.68 19.45,37 19.45,36.98 19.44,36.97 17.97,35.5 17.95,35.49 17.93,35.48 17.75,35.48 17.73,35.48 17.71,35.47 17.55,35.31 17.54,35.29 17.53,35.27 17.53,34.69 17.53,34.67 17.52,34.65 17.31,34.45 17.3,34.44 17.28,34.43 16.67,34.43 16.65,34.44 16.64,34.45 16.58,34.5 16.57,34.52 16.57,34.54 16.57,35.42 16.58,35.44 16.58,36.57 16.59,36.59 16.6,36.6 17.61,37.61 17.62,37.63 17.62,37.65 17.62,38.12 17.63,38.14 17.64,38.15 18.11,38.62 18.18,38.68 18.27,38.78 18.29,38.8 18.31,38.8
VBUS-AXP318 on TOP: 13.38,20.12 17.79,20.12 17.93,19.98 17.93,19.46 18.18,19.2 18.18,18.42 17.95,18.19 15.75,18.19 15.58,18.35 15.58,18.73 15.38,18.93 12.28,18.93 12.07,19.14 12.07,19.99 11.73,20.33 11.73,20.79 11.73,20.79 13.13,20.79 13.23,20.69 13.23,20.27
VBUS-AXP318 on L5GND: 14.84,18.26 14.65,18.46 14.65,27.27 15.43,28.04 15.43,30.15 14.59,30.99 14.59,36.96 15.04,37.4 20.35,37.4 24.1,33.65 24.1,25.14 23.21,24.24 21.41,24.24 20.35,23.19 20.35,20.68 20.25,20.68 17.84,18.26
VBUS-AXP515 on TOP: 14.97,16.81 14.97,16.22 14.27,15.52 14.27,15.14 14.21,15.08 13.93,15.08 13.86,15.01 13.86,14.72 13.83,14.68 13.61,14.68 13.57,14.72 13.57,15.29 13.23,15.63 10.26,15.63 10.19,15.7 10.19,16.84 10.41,17.06 13.48,17.06 13.58,16.95 14.83,16.95
VBUS-AXP515 on TOP: 16.43,26.28 19.63,26.28 19.71,26.2 19.71,25.35 19.42,25.06 15.82,25.06 15.55,24.8 14.54,24.8 14.51,24.83 14.51,24.97 14.55,25.01 15.17,25.01 15.18,25.02 15.18,25.16 15.15,25.2 14.54,25.2 14.5,25.23 14.5,25.83 14.69,26.02 15.05,26.02 15.43,26.4 15.43,27.16 15.47,27.2 16.16,27.2 16.3,27.05 16.3,26.4
VBUS-AXP515 on BOTTOM: 17.98,21.34 15.78,19.14 15.78,17.17 15.15,16.53 9.89,16.53 9.66,16.76 9.66,21.47 10.65,22.47 10.65,25.51 11.93,26.8 17.42,26.8 17.98,26.24
VBUS-USB on TOP: 16.3,6.19 12.98,6.19 12.81,6.36 12.81,11.56 12.49,11.87 11.56,11.87 10.91,12.52 10.91,13.69 10.76,13.84 10.05,13.84 9.98,13.91 9.98,14.91 10.22,15.15 12.19,15.15 12.44,14.89 12.44,14.29 12.75,13.98 13.31,13.98 13.59,14.25 13.59,14.49 13.64,14.54 13.92,14.54 13.98,14.61 13.98,14.88 14.04,14.95 14.22,14.95 14.28,14.88 14.28,14.02 14.47,13.83 15.07,13.83 15.16,13.74 15.16,11.1 15.37,10.89 16.22,10.89 16.63,10.48 16.63,7.83 16.3,7.5
VCC-5V on TOP: 11.55,33.54 12.87,33.54 12.95,33.46 12.95,32.94 13.56,32.33 13.56,32 13.41,31.85 12.44,31.85 12.2,31.61 12.2,30.66 11.9,30.35 11.9,29.41 10.45,27.96 10.45,27.72 10.31,27.58 9.8,27.58 9.74,27.65 9.74,28.14 11.22,29.63 11.22,30.76 11.49,31.03 11.49,33.48
VCC-5V on TOP: 25.56,26.94 25.69,26.8 25.69,23.66 25.64,23.61 23.73,23.61 23.49,23.85 23.49,24.22 23.33,24.38 22.91,24.38 22.85,24.43 22.85,25.16 22.44,25.58 21.2,25.58 19.54,23.91 17.33,23.91 17.26,23.99 17.26,24.87 17.29,24.9 19.45,24.9 20.44,25.9 20.44,26.14 21.24,26.94
VCC-5V-USB on TOP: 9.66,33.54 11.15,33.54 11.2,33.49 11.2,32.36 10.77,31.93 8.78,31.93 8.75,31.97 8.75,32.44 8.81,32.5 9.15,32.5 9.62,32.97 9.62,33.5
VCC-5V-USB on TOP: 3.86,51.28 5.3,51.28 5.8,50.79 5.8,50.04 5.67,49.91 5.15,49.91 5.07,49.99 5.07,50.7 4.78,50.99 3.83,50.99 3.79,51.03 3.79,51.22
VCC-5V-USB on BOTTOM: 4.77,34.6 5.39,34.6 5.93,34.06 8.8,34.06 9.89,32.97 10.49,32.97 10.55,32.91 10.55,32.21 10.45,32.11 9.33,32.11 8.35,33.08 5.7,33.08 5.19,33.59 4.72,33.59 4.63,33.68 4.63,34.46
VCC-5V-USB on L3: 4.24,51.14 5.46,51.14 6.36,50.24 6.36,46.94 6.45,46.85 6.45,39.27 6.36,39.18 6.36,36.91 6.78,36.49 6.78,35.41 5.84,34.47 5.84,33.81 5.71,33.68 4.85,33.68 4.78,33.75 4.78,36.75 4.92,36.89 4.92,37.9 5.14,38.11 5.14,41.03 4.99,41.19 4.99,46.57 4.07,47.49 4.07,48.16 3.69,48.54 3.69,50.6
VCC-CARD-3V3 on TOP: 34.4,10.22 34.4,9.17 34.21,8.98 30.45,8.98 30.14,9.28 30.14,11.07 29.9,11.31 29.4,11.31 28.95,10.87 28.95,6.78 29.05,6.68 29.73,6.68 29.85,6.81 29.85,7.81 29.95,7.91 33.64,7.91 34.11,7.44 34.11,6.09 34.19,6.01 35.03,6.01 35.06,6.04 35.06,9.02 34.9,9.18 34.9,10.1 34.73,10.27 34.45,10.27
VCC-IO on BOTTOM: 23.45,83.6 24.25,83.6 24.51,83.35 24.77,83.35 24.81,83.31 24.81,82.47 24.75,82.41 23.9,82.41 23.76,82.55 23.76,82.8 23.4,83.16 23.4,83.55
VCC-IO on L4: 23.98,83.6 24.63,83.6 24.79,83.45 24.79,76.59 23.68,75.49 23.68,74.51 23.66,74.49 23.66,74.24 23.05,73.62 23.05,62.15 23.26,61.94 24,61.94 24.12,61.81 24.12,60.97 24.01,60.86 23.25,60.86 23.24,60.87 22.58,60.87 22.37,61.07 22.37,73.93 23.18,74.74 23.18,75.84 24.18,76.83 24.18,80.89 24.32,81.02 24.32,82.24 23.88,82.68 23.88,83.5
VCC-VDDQ on TOP: 8.87,48.82 9.27,48.82 10.08,48 10.08,45.07 10.29,44.86 10.93,44.86 11.01,44.78 11.01,44.36 10.92,44.27 9.3,44.27 8.76,44.81 8.76,48.71
VCC-VDDQ on BOTTOM: 32.13,117.68 33.75,116.05 33.75,108.48 33.29,108.03 31.38,108.03 30.32,106.97 30.32,105.65 30.18,105.51 29.32,105.51 29.14,105.69 29.14,112.38 28.94,112.58 28.94,113.51 28.63,113.82 28.63,114.16 27.73,115.06 27.73,115.99 27.29,116.43 22.51,116.43 21.97,115.89 21.97,113.21 22.55,112.62 22.55,112.18 22.47,112.1 22.36,112.1 21.97,112.5 21.97,112.75 21.83,112.89 21.51,112.89 20.58,111.96 20.58,110.98 21.93,109.64 21.93,109 21.47,108.55 21.47,105.64 20.29,104.46 17.69,104.46 17.67,104.47 15.56,104.47 10.79,99.69 9.67,99.69 7.36,97.38 7.36,95.33 7.67,95.02 7.67,74.74 13.04,69.37 13.04,60.74 9.67,57.37 9.67,47.77 9.56,47.67 8.6,47.67 8.44,47.83 8.44,49.01 7.53,49.92 7.53,58.32 8.3,59.09 9.35,59.09 11.59,61.33 11.59,69.38 8.35,72.62 7.98,72.62 7.15,73.45 6.35,73.45 5.9,73.9 5.9,75.16 6.56,75.82 6.56,82.64 5.21,83.98 5.21,84.03 4.58,84.67 4.58,90.14 6.12,91.68 6.12,98.64 8.53,101.05 10.1,101.05 13.38,104.33 13.38,106.55 14.29,107.47 14.29,116.19 15.91,117.8 19.3,117.8 19.76,118.26 22,118.26 22.54,118.79 28.98,118.79 30.09,117.68
VDD-DRAM on TOP: 10.87,38.33 10.75,38.21 9.35,38.21 9.14,38.43 9.14,40.3 9.28,40.44 9.98,40.44 10.87,39.55
VDD-DRAM on TOP: 23.92,55.26 25.97,55.26 26.08,55.14 26.08,54.29 25.95,54.16 25.64,54.16 25.41,53.94 23.88,53.94 23.73,54.09 23.73,55.07
VDD-DRAM on TOP: 28.42,89.06 27.48,89.06 27.37,89.18 27.37,89.38 27.97,89.99 28.49,89.99 28.8,89.67 28.8,89.2 28.71,89.11 28.47,89.11
VDD-DRAM on L3: 28.82,89.09 27.41,89.09 26.81,89.68 26.35,89.68 25.72,89.05 25.05,89.05 24.93,88.92 18.71,88.92 18.46,88.67 16.85,88.67 16.44,88.26 14.99,88.26 12.92,86.19 12.92,83.7 13.26,83.37 13.26,79.64 13.57,79.33 13.57,65.54 13.01,64.98 13.01,58.95 12.91,58.85 12.91,53.61 12.93,53.59 12.93,49.65 14.37,48.2 14.37,40.66 11.91,38.2 9.79,38.2 9.63,38.37 9.63,40.84 10.46,41.67 10.46,48.35 9.53,49.27 9.53,59.9 10.35,60.72 10.35,76.49 10.69,76.83 10.69,77.55 10.33,77.91 10.33,80.63 10.69,80.99 10.69,83.45 9.74,84.41 9.74,88.15 10.45,88.86 10.45,89.92 12.72,92.19 13.79,92.19 14.11,91.87 14.63,91.87 14.89,92.13 19.61,92.13 19.76,91.97 21.03,91.97 21.41,91.59 27.8,91.59 29.01,90.38 29.01,89.28
VDD-DRAM on L5GND: 23,54.06 23,54.87 22.57,55.3 19.62,55.3 19.31,54.99 12.27,54.99 12.1,55.16 12.1,57.49 13.31,58.7 24.99,58.7 26.04,57.64 26.04,54.36 25.75,54.06
(no net) on TOP: 16.03,38.08 18.23,40.27 18.89,40.27 18.94,40.22 18.94,39.41 19.03,39.32 19.41,39.32 19.46,39.27 19.46,39.08 19.41,39.03 18.77,39.03 18.33,39.03 17.5,38.19 17.5,37.68 16.45,36.64 16.45,35.5 16.12,35.17 12.86,35.17 12.72,35.3 12.72,36.44 12.73,36.44 12.73,36.66 12.93,36.86 15.41,36.86 16.03,37.48
(no net) on TOP: 17.8,41.29 18.89,41.29 18.97,41.22 18.97,40.6 18.89,40.53 18.13,40.53 15.77,38.16 15.77,37.4 15.34,36.97 14.83,36.97 14.71,37.09 14.71,39.04 14.81,39.13 15.65,39.13
(no net) on TOP: 18.56,44.54 16.5,46.61 16.5,46.87 16.05,47.32 15.51,47.32 15.36,47.46 15.36,49.39 15.44,49.47 16.2,49.47 18.03,47.63 18.03,46.92 19.43,45.53 19.43,44.61 19.36,44.54
(no net) on TOP: 25.3,44.56 25.22,44.64 25.22,45.28 26.01,46.07 26.64,46.07 27.32,46.75 27.32,46.94 27.41,47.02 29.41,47.02 29.44,47 29.44,46.26 29.31,46.14 28.89,46.14 27.31,44.56
(no net) on TOP: 25.75,41.54 25.67,41.63 25.67,42.22 25.75,42.3 28.82,42.3 29.14,42.62 29.14,43.7 29.32,43.88 30.17,43.88 30.23,43.82 30.23,41.81 29.97,41.54
(no net) on TOP: 24.17,44.11 24.24,44.04 24.39,44.04 24.76,44.41 24.89,44.41 25.17,44.13 25.17,43.12 25.29,42.99 25.5,42.99 25.67,42.81 25.67,42.64 25.75,42.56 28.82,42.56 29,42.74 29,43.83 28.42,43.83 27.98,43.39 26.9,43.39 26.8,43.3 25.65,43.3 25.45,43.5 25.45,44.2 24.97,44.67 24.97,45.33 25.81,46.17 26.11,46.17 26.65,46.71 26.65,47.2 26.56,47.29 24.95,47.29 24.88,47.22 24.88,46.77 24.55,46.44 24.29,46.44 24.17,46.33
(no net) on TOP: 16.71,41.57 17.45,42.3 18.87,42.3 18.96,42.21 18.96,41.62 18.88,41.54 17.7,41.54 16.1,39.94 15.72,39.56 14.75,39.56 14.73,39.58 14.73,39.94 14.73,41.06 14.73,41.53 14.76,41.57
(no net) on TOP: 27.29,40.55 25.78,40.55 25.65,40.68 25.65,41.21 25.73,41.29 29.38,41.29 29.38,39.53 29.18,39.33 28.51,39.33
(no net) on TOP: 19.96,43.21 19.96,42.61 19.91,42.56 17.39,42.56 16.6,41.77 15.37,41.77 15.25,41.9 15.25,44.54 15.32,44.61 16.58,44.61 17.9,43.29 19.88,43.29
(no net) on TOP: 19.78,44.51 19.68,44.6 19.68,45.43 19.5,45.61 19.5,45.73 18.24,46.99 18.24,47.46 18.25,47.47 19.89,47.47 20.08,47.28 20.08,46.58 20.47,46.19 20.47,44.63 20.35,44.51
(no net) on TOP: 22.7,45.15 22.7,45.79 22.5,45.99 22.5,47.53 24.64,47.53 24.68,47.49 24.68,46.84 24.53,46.69 24.25,46.69 23.92,46.37 23.92,45.14 23.85,45.06 22.78,45.06
(no net) on TOP: 16.39,45.01 15.41,45.01 15.35,45.06 15.35,46.94 15.44,47.02 15.7,47.02 18.44,44.29 18.87,44.29 18.94,44.21 18.94,43.6 18.89,43.55 17.85,43.55
(no net) on TOP: 19.35,38.8 19.45,38.7 19.45,36.98 17.95,35.48 17.73,35.48 17.53,35.29 17.53,34.67 17.3,34.43 16.65,34.43 16.57,34.52 16.57,36.66 17.6,37.69 17.6,38.18 18.22,38.8
(no net) on L3: 0.55,5.51 0.54,14.79 1.89,14.79 2.6,15.09 2.89,15.8 2.89,24.69 2.89,24.9 2.6,25.61 1.88,25.91 0.54,25.91 0.54,26.67 0.54,40.03 0.53,40.05 0.54,40.08 0.56,40.11 0.83,40.2 1.06,40.37 1.25,40.65 1.34,40.98 1.33,45.99 1.13,46.67 0.53,47.06 0.53,54.92 1.11,55.28 1.33,55.91 1.33,63.91 1.1,64.55 0.53,64.9 0.53,66.25 0.54,66.27 0.55,66.28 1.09,66.58 1.33,67.15 1.33,72.16 1.12,72.84 0.53,73.23 0.53,75.49 2.02,75.49 4.52,78 2.02,80.51 0.52,80.51 0.52,99.49 0.52,99.49 0.51,117.4 0.52,117.42 1.5,117.42 2.11,117.7 2.38,118.31 2.38,123.83 2.1,124.44 1.49,124.72 0.51,124.72 0.51,129.49 1.29,129.49 1.29,128 3.8,125.49 6.31,128 6.31,129.51 43.49,129.51 43.5,114.11 43.79,113.4 44.5,113.11 44.5,112.52 43.01,112.52 40.5,110.01 43.01,107.51 44.5,107.51 44.5,106.92 43.79,106.62 43.5,105.91 43.5,100.01 43.79,99.3 44.5,99.01 44.51,74.1 43.02,74.1 40.51,71.59 43.02,69.09 44.51,69.09 44.51,68.17 44.02,68.17 43.31,67.88 43.01,67.16 43.02,54.16 43.31,53.45 44.02,53.16 44.52,53.16 44.52,32.72 44.53,16.74 44.53,16.74 43,16.74 42.05,16.54 41.25,16.01 40.84,15.45 40.59,14.8 40.52,14.23 40.59,13.66 41.47,12.27 43.02,11.72 44.53,11.72 44.53,5.59 44.43,5.54 28.05,5.56 28.05,7.07 26.47,9.34 23.76,8.78 23.35,8.24 23.1,7.61 23.03,7.19 23.03,5.51 ; 3 cut-outs
(no net) on L4: 0.55,5.51 0.54,14.79 1.89,14.79 2.6,15.09 2.89,15.8 2.89,16.22 2.89,24.9 2.6,25.61 1.88,25.91 0.54,25.91 0.54,40.03 0.53,40.05 0.54,40.08 0.56,40.11 1.1,40.41 1.34,40.98 1.33,45.99 1.13,46.67 0.53,47.06 0.53,54.92 1.11,55.28 1.33,55.91 1.33,63.91 1.1,64.55 0.53,64.9 0.53,66.25 0.54,66.27 0.55,66.28 1.09,66.58 1.33,67.15 1.33,72.16 1.12,72.84 0.53,73.23 0.53,75.49 2.02,75.49 4.53,78 2.02,80.51 0.52,80.51 0.51,117.4 0.52,117.42 1.5,117.42 2.11,117.7 2.38,118.31 2.38,123.83 2.1,124.44 1.49,124.72 0.51,124.72 0.51,129.49 1.29,129.49 1.29,128 3.8,125.49 6.31,128 6.31,129.51 43.49,129.51 43.5,114.11 43.79,113.4 44.5,113.11 44.5,112.52 43.01,112.52 40.5,110.01 43.01,107.51 44.5,107.51 44.5,106.92 43.79,106.62 43.5,105.91 43.5,100.01 43.79,99.3 44.5,99.01 44.51,74.1 43.02,74.1 40.51,71.59 43.02,69.09 44.51,69.09 44.51,68.17 44.02,68.17 43.31,67.88 43.01,67.16 43.02,54.16 43.31,53.45 44.02,53.16 44.52,53.16 44.53,16.74 43,16.74 40.52,14.22 43.02,11.72 44.53,11.72 44.53,5.73 44.34,5.54 28.05,5.56 28.05,7.07 25.65,9.52 23.05,7.3 23.03,7.28 23.03,7.01 23.03,5.51 ; 1 cut-out
BLDO1 on TOP: 39.39,54.38 41.3,54.38 41.33,54.34 41.33,54.11 41.27,54.05 39.75,54.05 39.39,53.69 39.39,51.97 39.33,51.9 39.09,51.9 38.93,52.06 38.93,53.92
